# KiCad board cutiepie2040_ortho.kicad_pcb
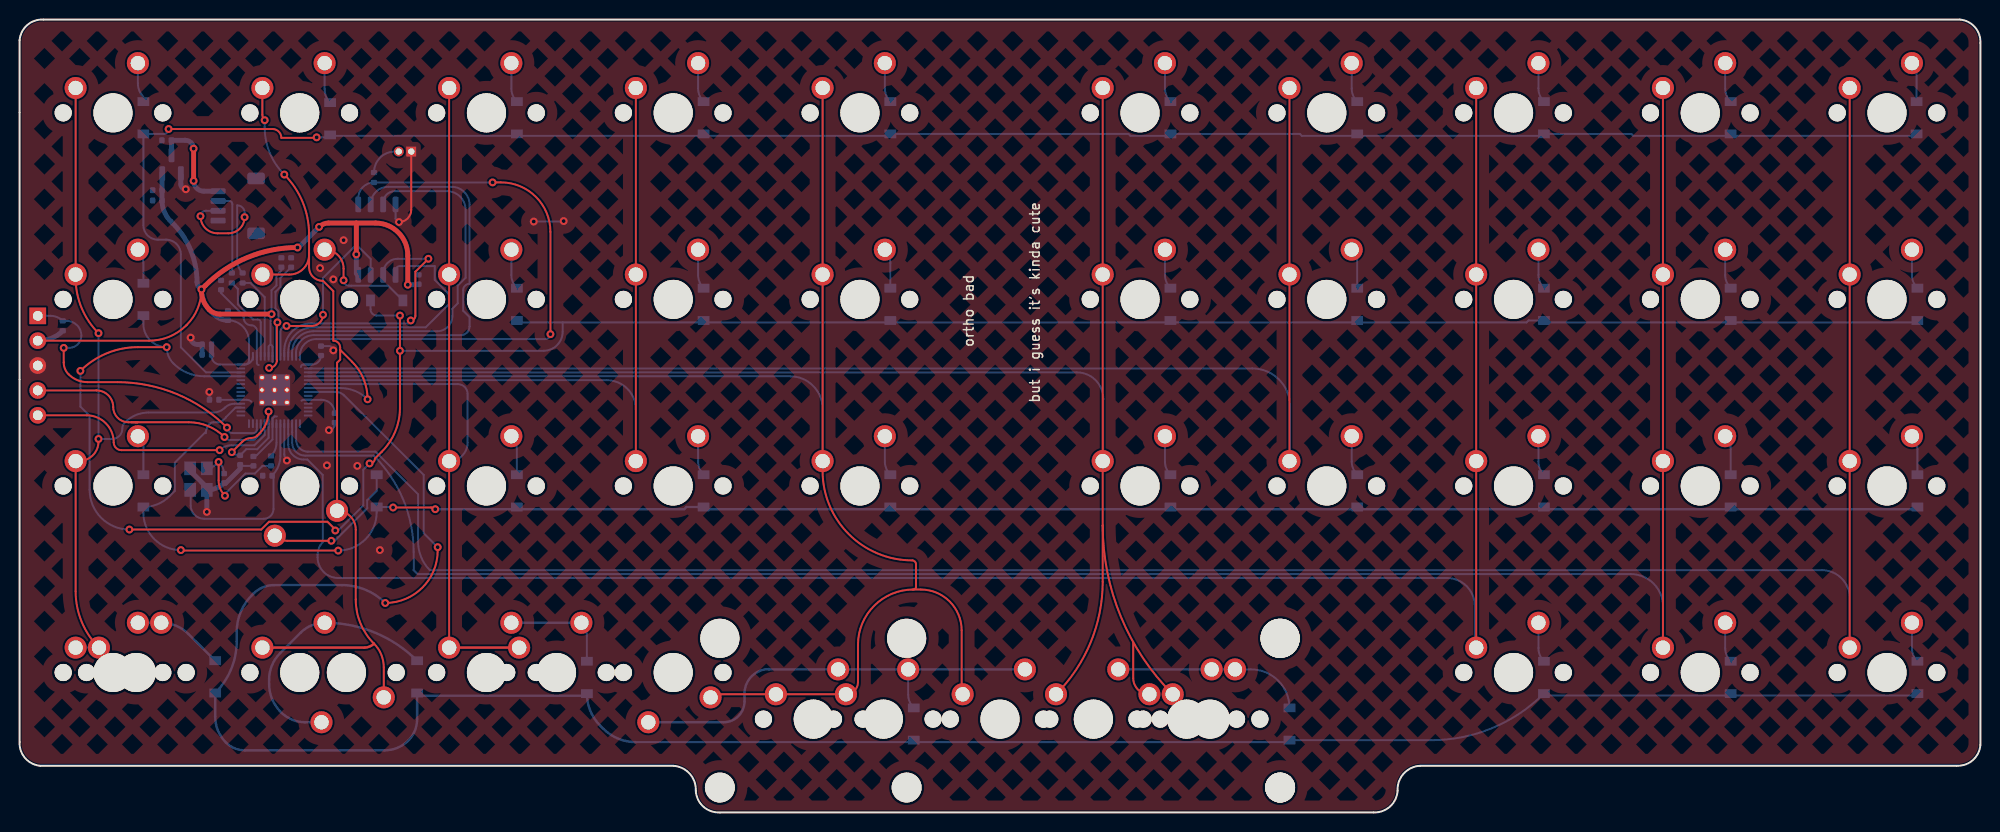
[diagram p0: board, top side]
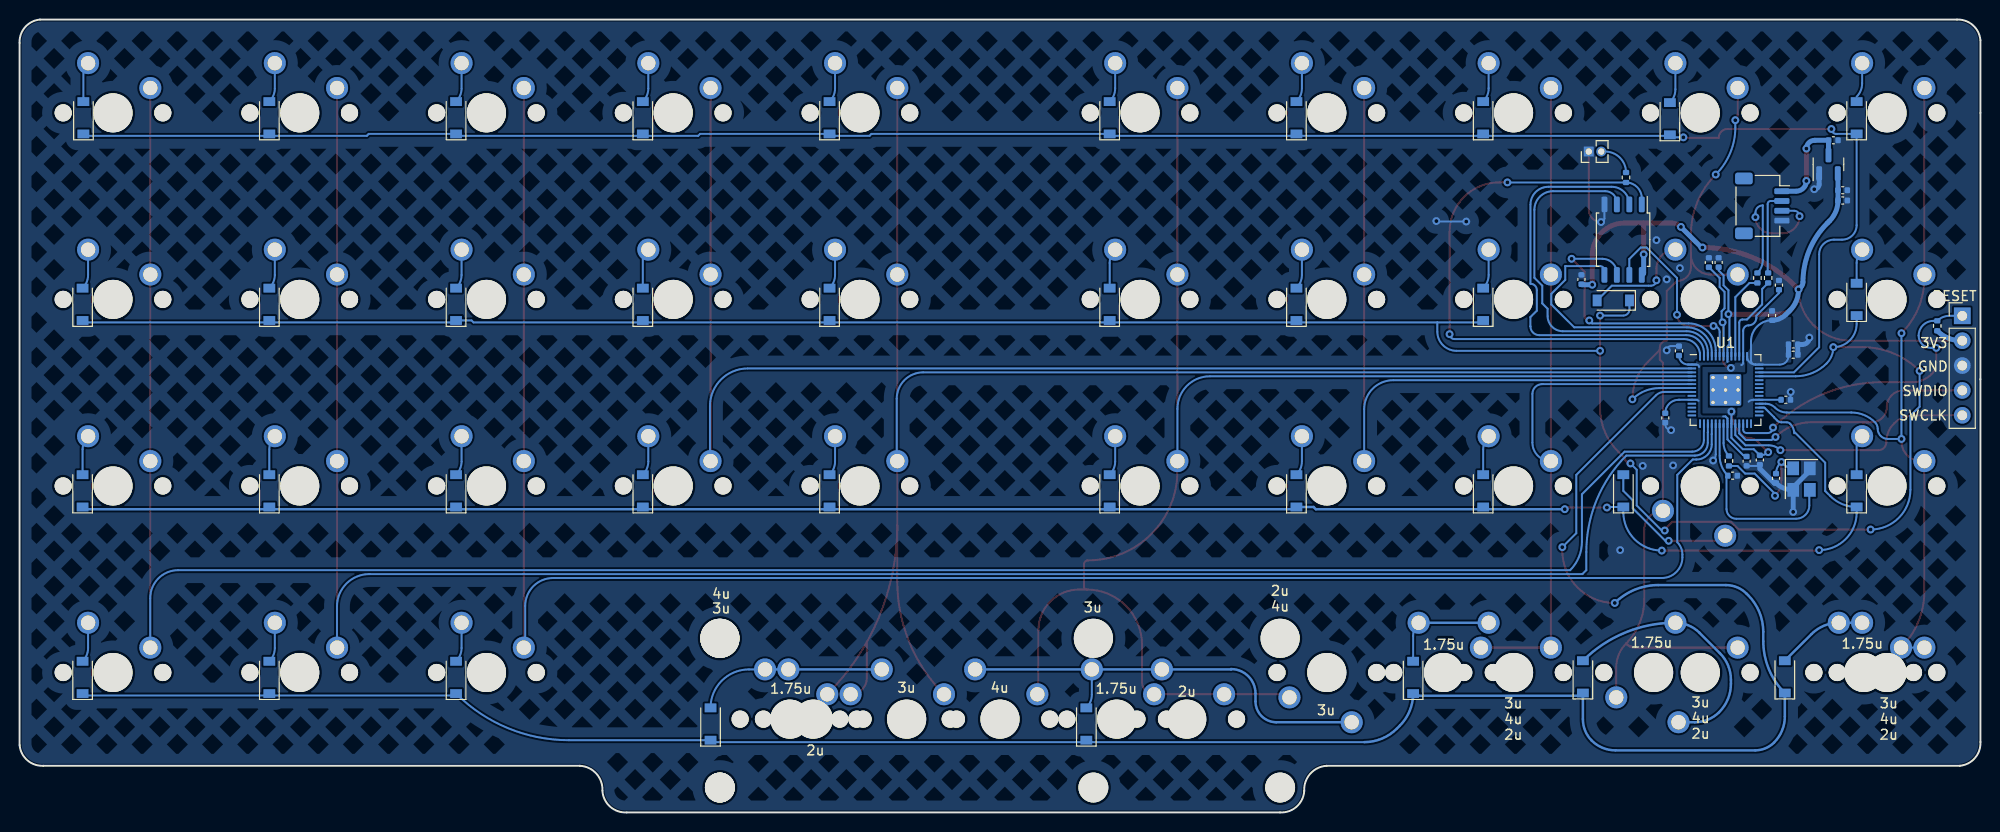
[diagram p1: board, bottom side, seen from below]

Outline 200.02 x 80.96 mm; copper layers: Top, Bottom. Coordinates in mm from the lower left corner of the outline.
Outline path: 0,78.86 arc(0.78,80.4) 2.4,80.96 197.95,80.96 arc(199.47,80.19) 200.02,78.58 200.02,6.88 arc(199.25,5.33) 197.61,4.76 142.88,4.76 arc(141.2,3.97) 140.57,2.22 arc(139.8,0.6) 138.1,0 71.45,0 arc(69.76,0.58) 68.98,2.19 arc(68.36,3.95) 66.67,4.76 2.1,4.76 arc(0.56,5.55) 0,7.19 0,78.86
Stack: Top 0.035mm / dielectric 1.51mm FR4 er 4.5 / Bottom 0.035mm

## Placement (name value [footprint] x y rotation side)
C_1V-Decoup1  1u  [C_0402_1005Metric]  20.55 53.85 90 bottom
C_1V-Decoup2  .1u  [C_0402_1005Metric]  27.7 56.16 90 bottom
C_1V-Decoup3  .1u  [C_0402_1005Metric]  22.5 35.99 270 bottom
C_3V-Decoup1  10u  [C_0402_1005Metric]  14.05 62.49 180 bottom
C_3V-Decoup2  1u  [C_0402_1005Metric]  21.25 50.74 90 bottom
C_3V-Decoup3  .1u  [C_0402_1005Metric]  26.7 56.16 90 bottom
C_3V-Decoup4  .1u  [C_0402_1005Metric]  19.85 42.14 180 bottom
C_3V-Decoup5  .1u  [C_0402_1005Metric]  19.1 46.74 180 bottom
C_3V-Decoup6  .1u  [C_0402_1005Metric]  32.15 40.29 270 bottom
C_3V-Decoup7  .1u  [C_0402_1005Metric]  19.1 47.79 180 bottom
C_3V-Decoup8  .1u  [C_0402_1005Metric]  23.85 35.87 270 bottom
C_3V-Decoup9  .1u  [C_0402_1005Metric]  30.75 47.14 90 bottom
C_Crystal1  22pF  [C_0402_1005Metric]  25.28 34.39 0 bottom
C_Crystal2  22pF  [C_0402_1005Metric]  20.85 34.12 90 bottom
C_Flash1  .1u  [C_0402_1005Metric]  40.7 54.42 90 bottom
C_LD1  1u  [C_0402_1005Metric]  15 68.64 180 bottom
C_LD2  1u  [C_0402_1005Metric]  14.05 63.54 180 bottom
D1  D_Small  [D_SOD-123]  12.62 70.94 90 bottom
D2  D_Small  [D_SOD-123]  12.62 52.39 90 bottom
D3  D_Small  [D_SOD-123]  12.62 32.84 90 bottom
D4  D_Small  [D_SOD-123]  19.95 13.84 90 bottom
D5  D_Small  [D_SOD-123]  31.67 70.84 90 bottom
D6  D_Small  [D_SOD-123]  37.45 52.29 0 bottom
D7  D_Small  [D_SOD-123]  36.42 32.84 90 bottom
D8  D_Small  [D_SOD-123]  40.55 13.84 90 bottom
D9  D_Small  [D_SOD-123]  50.72 70.94 90 bottom
D10  D_Small  [D_SOD-123]  50.72 51.89 90 bottom
D11  D_Small  [D_SOD-123]  50.72 32.84 90 bottom
D12  D_Small  [D_SOD-123]  57.87 13.79 90 bottom
D13  D_Small  [D_SOD-123]  69.77 70.94 90 bottom
D14  D_Small  [D_SOD-123]  69.77 51.89 90 bottom
D15  D_Small  [D_SOD-123]  69.77 32.84 90 bottom
D16  D_Small  [D_SOD-123]  88.83 70.94 90 bottom
D17  D_Small  [D_SOD-123]  88.83 51.89 90 bottom
D18  D_Small  [D_SOD-123]  88.83 32.84 90 bottom
D19  D_Small  [D_SOD-123]  91.21 9.02 90 bottom
D20  D_Small  [D_SOD-123]  117.4 70.94 90 bottom
D21  D_Small  [D_SOD-123]  117.4 51.89 90 bottom
D22  D_Small  [D_SOD-123]  117.4 32.84 90 bottom
D23  D_Small  [D_SOD-123]  129.54 9.02 90 bottom
D24  D_Small  [D_SOD-123]  136.45 70.94 90 bottom
D25  D_Small  [D_SOD-123]  136.45 51.89 90 bottom
D26  D_Small  [D_SOD-123]  136.45 32.84 90 bottom
D27  D_Small  [D_SOD-123]  155.5 70.94 90 bottom
D28  D_Small  [D_SOD-123]  155.5 51.89 90 bottom
D29  D_Small  [D_SOD-123]  155.5 32.84 90 bottom
D30  D_Small  [D_SOD-123]  155.5 13.79 90 bottom
D31  D_Small  [D_SOD-123]  174.55 70.94 90 bottom
D32  D_Small  [D_SOD-123]  174.55 51.89 90 bottom
D33  D_Small  [D_SOD-123]  174.55 32.84 90 bottom
D34  D_Small  [D_SOD-123]  174.55 13.79 90 bottom
D35  D_Small  [D_SOD-123]  193.52 70.94 90 bottom
D36  D_Small  [D_SOD-123]  193.6 51.89 90 bottom
D37  D_Small  [D_SOD-123]  193.6 32.84 90 bottom
D38  D_Small  [D_SOD-123]  193.6 13.79 90 bottom
J1  SM04B  [JST_SH_SM04B-SRSS-TB_1x04-1MP_P1.00mm_Horizontal]  22.25 61.94 270 bottom
J2  SWD  [PinHeader_1x05_P2.54mm_Vertical]  1.85 50.71 180 bottom
MX1  MX-NoLED  [MXOnly-1U-NoLED]  9.52 71.44 0 top
MX2  MX-NoLED  [MXOnly-1U-NoLED]  9.52 52.39 0 top
MX3  MX-NoLED  [MXOnly-1U-NoLED]  9.52 33.34 0 top
MX4  MX-NoLED  [MXOnly-1U-NoLED]  9.52 14.29 0 top
MX4#2  MX-NoLED  [MXOnly-1.25U-NoLED]  11.91 14.29 0 top
MX5  MX-NoLED  [MXOnly-1U-NoLED]  28.58 71.44 0 top
MX6  MX-NoLED  [MXOnly-1U-NoLED]  28.58 52.39 0 top
MX7  MX-NoLED  [MXOnly-1U-NoLED]  28.58 33.34 180 top
MX8  MX-NoLED  [MXOnly-1U-NoLED]  33.34 14.29 180 top
MX8#2  MX-NoLED  [MXOnly-1U-NoLED]  28.58 14.29 0 top
MX9  MX-NoLED  [MXOnly-1U-NoLED]  47.62 71.44 0 top
MX10  MX-NoLED  [MXOnly-1U-NoLED]  47.62 52.39 0 top
MX11  MX-NoLED  [MXOnly-1U-NoLED]  47.62 33.34 0 top
MX12  MX-NoLED  [MXOnly-1.25U-NoLED]  54.77 14.29 0 top
MX12#2  MX-NoLED  [MXOnly-1U-NoLED]  47.62 14.29 0 top
MX13  MX-NoLED  [MXOnly-1U-NoLED]  66.67 71.44 0 top
MX14  MX-NoLED  [MXOnly-1U-NoLED]  66.67 52.39 0 top
MX15  MX-NoLED  [MXOnly-1U-NoLED]  66.67 33.34 0 top
MX16  MX-NoLED  [MXOnly-1U-NoLED]  85.73 71.44 0 top
MX17  MX-NoLED  [MXOnly-1U-NoLED]  85.73 52.39 0 top
MX18  MX-NoLED  [MXOnly-1U-NoLED]  85.73 33.34 0 top
MX19  MX-NoLED  [MXOnly-1U-NoLED]  66.67 14.29 180 top
MX19#2  MX-NoLED  [MXOnly-4U-ReversedStabilizers-NoLED]  100.01 9.52 0 top
MX19#3  MX-NoLED  [MXOnly-1.75U-NoLED]  88.11 9.52 0 top
MX19#4  MX-NoLED  [MXOnly-2U-NoLED]  80.96 9.52 0 top
MX20  MX-NoLED  [MXOnly-1U-NoLED]  114.3 71.44 0 top
MX21  MX-NoLED  [MXOnly-1U-NoLED]  114.3 52.39 0 top
MX22  MX-NoLED  [MXOnly-1U-NoLED]  114.3 33.34 0 top
MX23  MX-NoLED  [MXOnly-3U-ReversedStabilizers-NoLED]  109.54 9.52 0 top
MX23#2  MX-NoLED  [MXOnly-2U-NoLED]  119.06 9.52 0 top
MX23#3  MX-NoLED  [MXOnly-1.75U-NoLED]  121.44 9.52 0 top
MX24  MX-NoLED  [MXOnly-1U-NoLED]  133.35 71.44 0 top
MX25  MX-NoLED  [MXOnly-1U-NoLED]  133.35 52.39 0 top
MX26  MX-NoLED  [MXOnly-1U-NoLED]  133.35 33.34 0 top
MX27  MX-NoLED  [MXOnly-1U-NoLED]  152.4 71.44 0 top
MX28  MX-NoLED  [MXOnly-1U-NoLED]  152.4 52.39 0 top
MX29  MX-NoLED  [MXOnly-1U-NoLED]  152.4 33.34 0 top
MX30  MX-NoLED  [MXOnly-1U-NoLED]  152.4 14.29 0 top
MX31  MX-NoLED  [MXOnly-1U-NoLED]  171.45 71.44 0 top
MX32  MX-NoLED  [MXOnly-1U-NoLED]  171.45 52.39 0 top
MX33  MX-NoLED  [MXOnly-1U-NoLED]  171.45 33.34 0 top
MX34  MX-NoLED  [MXOnly-1U-NoLED]  171.45 14.29 0 top
MX35  MX-NoLED  [MXOnly-1U-NoLED]  190.5 71.44 0 top
MX36  MX-NoLED  [MXOnly-1U-NoLED]  190.5 52.39 0 top
MX37  MX-NoLED  [MXOnly-1U-NoLED]  190.5 33.34 0 top
MX38  MX-NoLED  [MXOnly-1U-NoLED]  190.5 14.29 0 top
R_Crystal1  1k  [R_0402_1005Metric]  25.65 35.89 90 bottom
R_DATA1  27  [R_0402_1005Metric]  22.75 54.58 270 bottom
R_DATA2  27  [R_0402_1005Metric]  21.65 54.58 270 bottom
R_Flash1  1k  [R_0402_1005Metric]  36.15 64.84 270 bottom
R_RST1  1k  [R_0402_1005Metric]  4.4 49.69 90 bottom
SW1  Reset  [PinHeader_1x02_P1.27mm_Vertical]  39.95 67.49 90 bottom
U1  RP2040  [RP2040-QFN-56]  26 43.14 180 bottom
U2  W25Q128JVS  [SOIC-8_5.23x5.23mm_P1.27mm]  36.45 58.49 270 bottom
U3  XC6206PxxxMR  [SOT-23]  15.5 66.19 90 bottom
Y1  12MHz  [Crystal_SMD_3225-4Pin_3.2x2.5mm]  18.25 34.04 270 bottom

## Library data of the parts
C_1V-Decoup1-C_1V-Decoup3 C_3V-Decoup1-C_3V-Decoup9 C_Crystal1 C_Crystal2 C_Flash1 C_LD1 C_LD2 = -: Description: Unpolarized capacitor, small symbol
D1-D38 = -: Description: Diode, small symbol
J1 = -: Description: Generic connector, single row, 01x04, script generated (kicad-library-utils/schlib/autogen/connector/)
J2 = -: Description: Generic connector, single row, 01x05, script generated (kicad-library-utils/schlib/autogen/connector/)
R_Crystal1 R_DATA1 R_DATA2 R_Flash1 R_RST1 = -: Description: Resistor, small symbol
SW1 = -: Description: Push button switch, generic, two pins
U1 = -: Description: A microcontroller by Raspberry Pi
U2 = -: Description: 128Mb Serial Flash Memory, Standard/Dual/Quad SPI, SOIC-8
U3 = -: Description: Positive 60-250mA Low Dropout Regulator, Fixed Output, SOT-23
Y1 = -: Description: Four pin crystal, GND on pins 2 and 4, small symbol

## Footprints (pads in the part's own frame, mm; a bottom-side part is the same pattern mirrored in y, then rotated)
C_0402_1005Metric
  rrect 0.56x0.62 smd: 1(-0.48,0) 2(0.48,0)
Crystal_SMD_3225-4Pin_3.2x2.5mm
  rect 1.4x1.2 smd: 1(-1.1,-0.85) 2(1.1,-0.85) 3(1.1,0.85) 4(-1.1,0.85)
D_SOD-123
  rect 0.9x1.2 smd: 1(-1.65,0) 2(1.65,0)
JST_SH_SM04B-SRSS-TB_1x04-1MP_P1.00mm_Horizontal
  rrect 0.6x1.55 smd: 1(-1.5,2) 2(-0.5,2) 3(0.5,2) 4(1.5,2)
  rrect 1.2x1.8 smd: MP(-2.8,-1.875) MP(2.8,-1.875)
MXOnly-1.25U-NoLED
  round 1.75 hole 1.75 unplated: (-5.08,0) (5.08,0)
  round 3.988 hole 3.988 unplated: (0,0)
  round 2.25 hole 1.47: 1(-3.81,2.54) 2(2.54,5.08)
MXOnly-1.75U-NoLED
  round 1.75 hole 1.75 unplated: (-5.08,0) (5.08,0)
  round 3.988 hole 3.988 unplated: (0,0)
  round 2.25 hole 1.47: 1(-3.81,2.54) 2(2.54,5.08)
MXOnly-1U-NoLED
  round 1.75 hole 1.75 unplated: (-5.08,0) (5.08,0)
  round 3.988 hole 3.988 unplated: (0,0)
  round 2.25 hole 1.47: 1(-3.81,2.54) 2(2.54,5.08)
MXOnly-2U-NoLED
  round 1.75 hole 1.75 unplated: (-5.08,0) (5.08,0)
  round 3.988 hole 3.988 unplated: (0,0)
  round 2.25 hole 1.47: 1(-3.81,2.54) 2(2.54,5.08)
MXOnly-3U-ReversedStabilizers-NoLED
  round 3.988 hole 3.988 unplated: (-19.05,8.255) (0,0) (19.05,8.255)
  round 3.048 hole 3.048 unplated: (-19.05,-6.985) (19.05,-6.985)
  round 1.75 hole 1.75 unplated: (-5.08,0) (5.08,0)
  round 2.25 hole 1.47: 1(-3.81,2.54) 2(2.54,5.08)
MXOnly-4U-ReversedStabilizers-NoLED
  round 3.988 hole 3.988 unplated: (-28.575,8.255) (0,0) (28.575,8.255)
  round 3.048 hole 3.048 unplated: (-28.575,-6.985) (28.575,-6.985)
  round 1.75 hole 1.75 unplated: (-5.08,0) (5.08,0)
  round 2.25 hole 1.47: 1(-3.81,2.54) 2(2.54,5.08)
PinHeader_1x02_P1.27mm_Vertical
  rect 1x1 hole 0.65: 1(0,0)
  oval 1x1 hole 0.65: 2(0,-1.27)
PinHeader_1x05_P2.54mm_Vertical
  rect 1.7x1.7 hole 1: 1(0,0)
  oval 1.7x1.7 hole 1: 2(0,-2.54) 3(0,-5.08) 4(0,-7.62) 5(0,-10.16)
R_0402_1005Metric
  rrect 0.54x0.64 smd: 1(-0.51,0) 2(0.51,0)
RP2040-QFN-56
  rrect 1.084x1.084 smd: (-0.637,-0.637) (-0.637,0.637) (0.637,-0.637) (0.637,0.637)
  rrect 0.875x0.2 smd: 1(-3.438,2.6) 2(-3.438,2.2) 3(-3.438,1.8) 4(-3.438,1.4) 5(-3.438,1) 6(-3.438,0.6) 7(-3.438,0.2) 8(-3.438,-0.2) 9(-3.438,-0.6) 10(-3.438,-1) 11(-3.438,-1.4) 12(-3.438,-1.8) 13(-3.438,-2.2) 14(-3.438,-2.6) 29(3.438,-2.6) 30(3.438,-2.2) 31(3.438,-1.8) 32(3.438,-1.4) 33(3.438,-1) 34(3.438,-0.6) 35(3.438,-0.2) 36(3.438,0.2) 37(3.438,0.6) 38(3.438,1) 39(3.438,1.4) 40(3.438,1.8) 41(3.438,2.2) 42(3.438,2.6)
  rrect 0.2x0.875 smd: 15(-2.6,-3.438) 16(-2.2,-3.438) 17(-1.8,-3.438) 18(-1.4,-3.438) 19(-1,-3.438) 20(-0.6,-3.438) 21(-0.2,-3.438) 22(0.2,-3.438) 23(0.6,-3.438) 24(1,-3.438) 25(1.4,-3.438) 26(1.8,-3.438) 27(2.2,-3.438) 28(2.6,-3.438) 43(2.6,3.438) 44(2.2,3.438) 45(1.8,3.438) 46(1.4,3.438) 47(1,3.438) 48(0.6,3.438) 49(0.2,3.438) 50(-0.2,3.438) 51(-0.6,3.438) 52(-1,3.438) 53(-1.4,3.438) 54(-1.8,3.438) 55(-2.2,3.438) 56(-2.6,3.438)
  round 0.6 hole 0.35: 57(-1.275,-1.275) 57(-1.275,0) 57(-1.275,1.275) 57(0,-1.275) 57(0,0) 57(0,1.275) 57(1.275,-1.275) 57(1.275,0) 57(1.275,1.275)
  rrect 3.2x3.2 smd: 57(0,0)
SOIC-8_5.23x5.23mm_P1.27mm
  rrect 1.6x0.6 smd: 1(-3.6,1.905) 2(-3.6,0.635) 3(-3.6,-0.635) 4(-3.6,-1.905) 5(3.6,-1.905) 6(3.6,-0.635) 7(3.6,0.635) 8(3.6,1.905)
SOT-23
  rrect 1.475x0.6 smd: 1(-0.938,0.95) 2(-0.938,-0.95) 3(0.938,0)

## Nets
+1V1: C_1V-Decoup1.1 C_1V-Decoup2.1 C_1V-Decoup3.1 U1.23 U1.45 U1.50
+3V3: C_3V-Decoup1.1 C_3V-Decoup2.1 C_3V-Decoup3.1 C_3V-Decoup4.1 C_3V-Decoup5.1 C_3V-Decoup6.1 C_3V-Decoup7.1 C_3V-Decoup8.1 C_3V-Decoup9.1 C_Flash1.1 C_LD2.1 J2.2 R_RST1.1 U1.1 U1.10 U1.22 U1.33 U1.42 U1.43 U1.44 U1.48 U1.49 U2.8 U3.2
+5V: C_LD1.1 J1.1 U3.3
GND: C_1V-Decoup1.2 C_1V-Decoup2.2 C_1V-Decoup3.2 C_3V-Decoup1.2 C_3V-Decoup2.2 C_3V-Decoup3.2 C_3V-Decoup4.2 C_3V-Decoup5.2 C_3V-Decoup6.2 C_3V-Decoup7.2 C_3V-Decoup8.2 C_3V-Decoup9.2 C_Crystal1.1 C_Crystal2.1 C_Flash1.2 C_LD1.2 C_LD2.2 J1.4 J2.3 SW1.1 U1.19 U1.57 U2.4 U3.1 Y1.2 Y1.4
col0: MX1.1 MX2.1 MX3.1 MX4.1 MX4#2.1 U1.32
col1: MX5.1 MX6.1 MX7.1 MX8.1 MX8#2.1 U1.7
col2: MX9.1 MX10.1 MX11.1 MX12.1 MX12#2.1 U1.6
col3: MX13.1 MX14.1 MX15.1 U1.5
col4: MX16.1 MX17.1 MX18.1 MX19.1 MX19#2.1 MX19#3.1 MX19#4.1 U1.4
col5: MX20.1 MX21.1 MX22.1 MX23.1 MX23#2.1 MX23#3.1 U1.3
col6: MX24.1 MX25.1 MX26.1 U1.2
col7: MX27.1 MX28.1 MX29.1 MX30.1 U1.18
col8: MX31.1 MX32.1 MX33.1 MX34.1 U1.17
col9: MX35.1 MX36.1 MX37.1 MX38.1 U1.16
CS: R_Flash1.2 U1.56 U2.1
D+: J1.3 R_DATA1.1
D-: J1.2 R_DATA2.1
QSPI_CLK: U1.52 U2.6
RESET: J2.1 R_RST1.2 U1.26
row0: D1.1 D5.1 D9.1 D13.1 D16.1 D20.1 D24.1 D27.1 D31.1 D35.1 U1.40
row1: D2.1 D6.1 D10.1 D14.1 D17.1 D21.1 D25.1 D28.1 D32.1 D36.1 U1.39
row2: D3.1 D7.1 D11.1 D15.1 D18.1 D22.1 D26.1 D29.1 D33.1 D37.1 U1.31
row3: D4.1 D8.1 D12.1 D19.1 D23.1 D30.1 D34.1 D38.1 U1.8
SD0: U1.53 U2.5
SD1: U1.55 U2.2
SD2: U1.54 U2.3
SD3: U1.51 U2.7
SWCLK: J2.5 U1.24
SWDIO: J2.4 U1.25
XTAL_IN: C_Crystal1.2 U1.20 Y1.3
XTAL_OUT: R_Crystal1.2 U1.21
Net-(C_Crystal2-Pad2): C_Crystal2.2 R_Crystal1.1 Y1.1
Net-(D1-A): D1.2 MX1.2
Net-(D2-A): D2.2 MX2.2
Net-(D3-A): D3.2 MX3.2
Net-(D4-A): D4.2 MX4.2 MX4#2.2
Net-(D5-A): D5.2 MX5.2
Net-(D6-A): D6.2 MX6.2
Net-(D7-A): D7.2 MX7.2
Net-(D8-A): D8.2 MX8.2 MX8#2.2
Net-(D9-A): D9.2 MX9.2
Net-(D10-A): D10.2 MX10.2
Net-(D11-A): D11.2 MX11.2
Net-(D12-A): D12.2 MX12.2 MX12#2.2
Net-(D13-A): D13.2 MX13.2
Net-(D14-A): D14.2 MX14.2
Net-(D15-A): D15.2 MX15.2
Net-(D16-A): D16.2 MX16.2
Net-(D17-A): D17.2 MX17.2
Net-(D18-A): D18.2 MX18.2
Net-(D19-A): D19.2 MX19.2 MX19#2.2 MX19#3.2 MX19#4.2
Net-(D20-A): D20.2 MX20.2
Net-(D21-A): D21.2 MX21.2
Net-(D22-A): D22.2 MX22.2
Net-(D23-A): D23.2 MX23.2 MX23#2.2 MX23#3.2
Net-(D24-A): D24.2 MX24.2
Net-(D25-A): D25.2 MX25.2
Net-(D26-A): D26.2 MX26.2
Net-(D27-A): D27.2 MX27.2
Net-(D28-A): D28.2 MX28.2
Net-(D29-A): D29.2 MX29.2
Net-(D30-A): D30.2 MX30.2
Net-(D31-A): D31.2 MX31.2
Net-(D32-A): D32.2 MX32.2
Net-(D33-A): D33.2 MX33.2
Net-(D34-A): D34.2 MX34.2
Net-(D35-A): D35.2 MX35.2
Net-(D36-A): D36.2 MX36.2
Net-(D37-A): D37.2 MX37.2
Net-(D38-A): D38.2 MX38.2
Net-(R_Flash1-Pad1): R_Flash1.1 SW1.2
Net-(U1-USB_DM): R_DATA2.2 U1.46
Net-(U1-USB_DP): R_DATA1.2 U1.47

Pads without a net: J1 MP; U1 9 11 12 13 14 15 27 28 29 30 34 35 36 37 38 41

## Via types
v1: diameter 0.8, hole 0.4, Top to Bottom, 64 vias

## Routing (per net, layer and track width the routed paths; a pad name or vN(x,y) marks a point on that pad's centre or on a via; arc(x,y) is an arc through that point)
+1V1: length 38.1
  Top w0.2: 26.24,46.09 26.24,49.99 arc(26.26,50.03) v1(26.3,50.04) ; v1(21.65,36.79) 22.71,37.85 arc(23.14,38.14) 23.65,38.24 arc(23.97,38.3) 24.25,38.48 24.48,38.72 arc(25.16,39.74) v1(25.4,40.94) ; v1(25.45,45.39) arc(26.02,45.62) 26.25,46.19
  Bottom w0.2: C_1V-Decoup1.1 20.55,53.03 22.86,50.72 22.86,50.44 ; v1(25.4,40.94) U1.23 25.4,38.25 24.23,37.09 23.12,37.09 C_1V-Decoup3.1 ; C_1V-Decoup2.1 26.6,54.58 26.6,53.66 26.1,53.16 26.1,51.48 26.4,51.18 26.4,50.14 arc(26.37,50.07) v1(26.3,50.04) arc(26.23,50.02) 26.2,49.95 U1.50 ; 22.42,36.47 arc(22,36.55) v1(21.65,36.79) ; 24.4,45.69 arc(24.26,45.75) 24.2,45.89 U1.45 24.2,49.19 arc(24.04,49.58) 23.65,49.74 arc(23.08,49.97) 22.85,50.54
+3V3: length 122.6
  Top w0.2: 1.85,48.17 13.22,48.17 arc(15.27,48.58) 17,49.74 17.05,49.79 arc(18.16,51.45) v1(18.55,53.41)
  Top w0.5: 34.35,60.19 36.3,60.19 arc(38.63,59.22) 39.6,56.89 v1(39.6,53.89) ; 34.35,60.19 31.52,60.19 arc(30.99,60.08) v1(30.55,59.79) ; 34.35,60.19 v1(34.35,56.99) ; v1(25.7,50.89) 20.44,50.89 arc(19.85,51) 19.35,51.34 arc(18.76,52.22) 18.55,53.27 v1(18.55,53.41) 18.93,53.78 arc(23.25,56.67) v1(28.35,57.69)
  Bottom w0.2: 25.6,47.74 25.6,50.79 arc(25.63,50.86) v1(25.7,50.89) 25.7,53.32 26.2,53.82 26.2,54.84 26.7,55.34 C_3V-Decoup3.1 ; 25.6,47.74 arc(25.46,47.68) 25.4,47.54 U1.48 ; 25.6,47.74 arc(25.74,47.68) 25.8,47.54 U1.49 25.8,46.03 25.8,46.04 ; 26.25,40.44 26.01,40.44 25.8,40.23 U1.22 25.8,38.09 24.21,36.5 arc(24.04,36.39) C_3V-Decoup8.1 ; 22.96,45.74 U1.42 20.45,45.74 arc(19.83,45.99) 19.58,46.61 ; 22.96,45.74 arc(23.27,45.87) 23.4,46.17 U1.43 23.4,48.11 arc(22.77,49.63) C_3V-Decoup2.1 ; 22.96,45.74 arc(23.55,45.98) U1.44 ; C_3V-Decoup4.1 U1.33 23.17,42.14 arc(23.43,42.09) 23.65,41.94 ; C_3V-Decoup6.1 arc(31.75,41.74) 30.78,42.14 U1.10 28.99,42.14 arc(28.86,42.11) 28.75,42.04 ; C_3V-Decoup9.1 arc(30.48,46.01) 29.83,45.74 U1.1 28.95,45.74 arc(28.77,45.66) 28.7,45.49
  Bottom w0.5: v1(34.35,56.99) 34.35,55.08 arc(34.41,54.94) U2.8 ; v1(30.55,59.79) 28.52,57.76 arc(28.44,57.71) v1(28.35,57.69) ; 14.53,65.23 C_LD2.1 C_3V-Decoup1.1 arc(14.76,61.35) 15.4,60.39 15.6,60.19 arc(17.45,57.42) 18.1,54.15 arc(18.15,53.88) 18.31,53.65 v1(18.55,53.41) arc(18.78,52.23) 19.45,51.24 19.85,50.84 arc(20.49,50.41) C_3V-Decoup2.1 ; v1(39.6,53.89) 40.65,53.89 arc(40.69,53.9) C_Flash1.1 ; C_3V-Decoup7.1 C_3V-Decoup5.1 ; R_RST1.1 arc(3.29,48.43) 1.97,48.17
+5V: length 10.6
  Top w0.5: v1(17.75,67.79) v1(17.75,64.49)
  Bottom w0.5: U3.3 15.5,68.62 ; C_LD1.1 16.9,68.64 arc(17.5,68.39) v1(17.75,67.79) ; J1.1 18.8,63.44 arc(18.06,63.75) v1(17.75,64.49)
GND: length 35
  Top w0.2: SW1.1 39.95,61.54 arc(39.58,60.65) v1(38.7,60.29)
  Bottom w0.2: C_3V-Decoup9.2 31.57,47.62 arc(31.87,47.49) v1(32,47.19) ; U1.19 27,36.58 arc(27.07,36.23) v1(27.27,35.94) 27.27,36.06 ; C_3V-Decoup4.2 19.37,42.89 arc(19.36,42.92) v1(19.35,42.94) ; U2.4 38.36,60.63 arc(38.46,60.39) v1(38.7,60.29) ; v1(52.45,60.34) 55.45,60.34 arc(55.49,60.35) v1(55.5,60.39) ; C_3V-Decoup8.2 22.79,35.39 arc(22.63,35.42) C_1V-Decoup3.2 ; 32.15,39.64 arc(31.97,39.21) v1(31.55,39.04)
  Bottom w0.5: C_1V-Decoup3.2 22.5,35.1 21.03,33.64 C_Crystal2.1 arc(20.07,33.12) 19.16,32.94 ; C_3V-Decoup5.2 C_3V-Decoup7.2 18.15,47.79 arc(17.66,47.99) v1(17.45,48.49) ; 17.4,34.89 18.92,33.36 ; v1(19.1,30.69) Y1.2 ; U3.1 16.45,64.14 arc(16.6,63.78) v1(16.95,63.64)
  vias: v1(30.65,55.59) v1(31.35,35.44) v1(32,54.44) v1(33.05,58.44) v1(34.45,35.39) v1(36.75,26.79)
col0: length 77.7
  Top w0.2: v1(8.05,38.14) 8.05,37.88 arc(7.46,36.46) 6.05,35.88 ; MX3.1 5.71,22.58 arc(6.33,19.47) MX4#2.1 ; MX1.1 MX2.1 ; 5.71,54.57 arc(6.32,51.52) v1(8.05,48.94)
  Bottom w0.2: v1(8.05,48.94) v1(8.05,38.14) 9.44,38.14 arc(10.17,38.44) 10.48,39.18 arc(10.55,39.54) 10.75,39.84 arc(11.86,40.58) 13.16,40.84 19.74,40.84 arc(20.4,40.97) 20.95,41.34 arc(21.39,41.63) 21.92,41.74 U1.32 ; MX4#2.1 MX4.1
col1: length 97
  Top w0.2: 32.7,47.24 33.91,46.03 arc(35.09,44.27) v1(35.5,42.19) ; 32.7,47.24 32.7,47.48 arc(32.49,47.97) 32,48.18 32,53.24 30.95,54.29 30.9,54.29 arc(29.93,54.69) 29.53,55.66 29.53,57.14 ; 32.7,47.24 32.7,46.24 32.38,45.92 MX7.1 arc(33.73,30.24) 34.29,28.89 34.29,21.73 arc(34.77,19.3) 36.15,17.24 arc(36.89,16.13) 37.15,14.83 MX8.1 ; 29.53,57.14 29.53,56.93 arc(28.94,55.51) 27.53,54.93 MX6.1 ; 29.53,57.14 29.53,59.04 arc(28.87,62.34) v1(27,65.14) ; MX5.1 24.77,71.25 arc(24.83,70.95) v1(25,70.69)
  Top w0.25: MX8#2.1 35.16,16.83 arc(35.7,16.93) 36.15,17.24
  Bottom w0.2: U1.7 32.54,43.34 ; 32.65,43.33 32.73,43.33 arc(34.23,43.04) v1(35.5,42.19) ; v1(25,70.69) 25,69.97 arc(25.52,67.35) v1(27,65.14)
col2: length 89.1
  Top w0.2: MX12#2.1 MX11.1 MX10.1 MX9.1
  Top w0.25: MX12#2.1 MX12.1
  Bottom w0.2: U1.6 44.7,43.74 arc(45.41,43.44) 45.7,42.74 45.7,37.76 arc(45.15,36.43) MX11.1
col3: length 78.5
  Top w0.2: MX13.1 MX14.1 MX15.1
  Bottom w0.2: MX15.1 62.86,41.17 arc(62,43.27) 59.9,44.14 U1.5
col4: length 157
  Top w0.2: 81.91,35.88 81.91,73.98 ; 96.1,12.17 96.1,18.59 arc(94.88,21.54) 91.92,22.76 91.1,22.76 ; 71.25,12.06 MX19#4.1 MX19#3.1 arc(85.16,12.42) 85.52,13.29 85.52,17.11 arc(87.18,21.11) 91.18,22.76 arc(91.37,22.84) 91.44,23.03 91.44,25.34 arc(91.33,25.62) 91.05,25.74 arc(84.59,28.41) 81.91,34.87
  Bottom w0.2: 81.91,35.88 81.91,41.22 arc(80.94,43.57) 78.6,44.54 U1.4
col5: length 177.6
  Top w0.2: 110.49,29.31 110.49,23.56 arc(109.25,17.34) MX23.1 ; 110.49,29.31 MX22.1 MX21.1 MX20.1 ; 110.49,29.31 arc(112.35,19.98) MX23#3.1 ; 113.6,17.39 113.6,13.72 arc(114.09,12.55) MX23#2.1
  Bottom w0.2: U1.3 107.85,44.94 arc(109.76,44.15) 110.55,42.24 110.55,35.94
col6: length 146
  Top w0.2: MX24.1 MX26.1
  Bottom w0.2: 129.6,35.94 129.6,41.49 arc(128.47,44.21) 125.75,45.34 U1.2
col7: length 197.9
  Top w0.2: MX30.1 MX29.1 MX27.1
  Bottom w0.2: U1.18 27.4,38.64 27.41,38.63 27.41,37.59 arc(27.86,36.49) 28.96,36.04 29.35,36.04 30.92,34.46 30.92,27.59 arc(30.54,27.01) 30.4,26.33 30.4,26.04 arc(31.02,24.55) 32.5,23.94 145.6,23.94 arc(147.62,23.1) 148.45,21.09 148.45,16.97
col8: length 214.7
  Top w0.2: MX31.1 MX33.1 MX34.1
  Bottom w0.2: 167.65,16.84 167.65,21.04 arc(166.68,23.37) 164.35,24.34 40.6,24.34 40.2,24.74 40.2,26.6 arc(39.14,31.92) 36.12,36.44 29.12,36.44 arc(28.19,36.82) 27.81,37.75 27.81,38.8 27.8,38.81 U1.17
col9: length 233.4
  Top w0.2: MX35.1 MX37.1 MX38.1
  Bottom w0.2: 29.35,36.84 36.3,36.84 40.65,32.49 40.65,27.63 arc(40.96,26.07) 41.85,24.74 183.85,24.74 arc(185.87,23.9) 186.7,21.89 186.7,16.84 ; U1.16 28.2,38.97 28.21,38.96 28.21,38.03 arc(28.56,37.19) 29.4,36.84
CS: length 60.6
  Top w0.2: v1(54.15,48.84) 54.15,59.29 arc(52.67,62.86) 49.1,64.34 v1(48.25,64.34)
  Bottom w0.2: 28.6,46.68 arc(29.09,47.85) 30.26,48.34 53.65,48.34 arc(54,48.48) v1(54.15,48.84) ; 34.55,62.72 arc(35.02,63.86) R_Flash1.2 48.24,64.33 arc(48.25,64.33) v1(48.25,64.34)
D+: length 17.2
  Top w0.2: v1(22.95,60.79) arc(22.47,59.62) 21.3,59.14 20.2,59.14 arc(18.96,59.65) v1(18.45,60.89)
  Bottom w0.2: J1.3 19,61.44 arc(18.61,61.28) v1(18.45,60.89) ; v1(22.95,60.79) 22.95,61.24 arc(22.73,61.77) 22.2,61.99 22.2,56.42 arc(22.34,55.7) R_DATA1.1
D-: length 8.6
  Bottom w0.2: 21.7,55.21 21.7,62.14 arc(21.61,62.35) 21.4,62.44 J1.2
QSPI_CLK: length 27.8
  Top w0.2: v1(41.7,56.54) 40.38,55.21 40.38,50.71 arc(40.24,50.38) v1(39.9,50.24)
  Bottom w0.2: U1.52 27,47.17 arc(27.81,49.13) 29.77,49.94 39.6,49.94 arc(39.81,50.03) v1(39.9,50.24) ; v1(41.7,56.54) 38.57,56.54 arc(37.52,56.1) 37.08,55.05
RESET: length 32.6
  Top w0.2: v1(4.5,47.44) 4.5,45.94 arc(4.63,45.29) 5,44.74 arc(5.89,44.15) 6.93,43.94 9.96,43.94 arc(16.02,42.73) v1(21.15,39.3)
  Bottom w0.2: v1(4.5,47.44) 5.05,47.44 arc(5.93,47.8) 6.3,48.69 arc(5.86,49.76) 4.79,50.2 R_RST1.2 arc(3.83,50.58) 3.16,50.71 J2.1 ; U1.26 24.2,39.09 arc(24.1,38.84) 23.85,38.74 21.72,38.74 arc(21.32,38.9) v1(21.15,39.3)
row0: length 210.8
  Top w0.2: v1(15.2,69.79) 25.8,69.79 arc(26.44,69.52) 26.7,68.89 30.25,68.89 arc(30.29,68.9) v1(30.3,68.94)
  Bottom w0.2: D16.1 113.13,69.29 113.33,69.09 117.2,69.09 ; 174.35,69.09 164.61,69.09 164.41,69.29 D27.1 ; 136.25,69.09 130.81,69.09 130.61,69.29 D20.1 ; 50.92,69.09 69.58,69.09 ; 136.65,69.09 155.3,69.09 ; 31.77,69.09 50.53,69.09 ; 174.75,69.09 193.32,69.09 ; U1.40 19.01,44.94 16.45,47.5 16.45,56.99 arc(16.01,58.05) 14.95,58.49 14.1,58.49 arc(13.06,58.92) 12.62,59.96 D1.1 14.7,69.29 arc(15.05,69.43) v1(15.2,69.79) ; 69.97,69.09 88.63,69.09 ; v1(30.3,68.94) 31.42,68.94
row1: length 251.8
  Top w0.2: v1(35.7,35.64) 35.75,35.64 arc(36.1,35.78) 36.25,36.13 36.95,36.84 arc(38.32,38.89) 38.8,41.3 v1(38.8,47.14) v1(38.8,50.74) ; v1(11.2,28.89) 24.65,28.89 25.44,29.68 31.4,29.68 32.2,28.89 v1(32.2,28.79) ; v1(15.01,47.51) 12.05,47.51 arc(8.89,46.88) v1(6.2,45.09)
  Bottom w0.2: 88.63,50.04 69.97,50.04 ; 193.4,50.04 174.75,50.04 ; 69.58,50.04 55.4,50.04 ; 55.4,50.04 50.92,50.04 ; 55.4,50.04 55.4,49.1 arc(54.83,47.71) 53.44,47.14 v1(38.8,47.14) ; v1(35.7,35.64) 35.06,35 35.06,31.35 32.5,28.79 v1(32.2,28.79) ; v1(38.8,50.74) 36.44,50.74 arc(35.99,50.92) 35.8,51.38 D6.1 ; 117.2,50.04 89.02,50.04 ; 136.25,50.04 117.6,50.04 ; D2.1 12.62,49.89 arc(13.32,48.21) v1(15.01,47.51) arc(15.19,46.61) 15.7,45.84 arc(17.14,44.88) 18.84,44.54 U1.39 ; 174.35,50.04 155.7,50.04 ; v1(6.2,45.09) 6.2,41.44 7.14,40.5 7.14,32.95 arc(8.33,30.08) v1(11.2,28.89) ; D28.1 153.92,50.24 153.72,50.04 136.65,50.04
row2: length 200.7
  Top w0.2: v1(32.5,26.74) 16.5,26.74 arc(16.46,26.75) v1(16.45,26.79) ; v1(38.1,31.14) 41.98,31.14 arc(42.21,31.09) v1(42.4,30.96)
  Bottom w0.2: U1.31 22.07,41.34 arc(22.03,41.33) 22,41.31 21.05,40.36 21.05,40.34 20.73,40.01 arc(20.53,39.88) 20.3,39.84 19.76,39.84 arc(19.57,39.8) 19.4,39.69 arc(19.1,39.24) 19,38.72 ; 19.01,38.89 15.83,35.71 15.83,32.83 15.3,32.3 arc(14.07,31.48) D3.1 12.62,30.61 arc(13.75,27.91) v1(16.45,26.79) ; v1(38.1,31.14) arc(38.04,31.17) 37.98,31.19 D7.1 36.42,30.66 arc(35.28,27.89) v1(32.5,26.74)
  Bottom w0.25: D15.1 68.02,31.19 67.8,30.96 50.95,30.96 ; 155.28,30.96 136.99,30.96 arc(136.7,31.02) D26.1 ; 50.5,30.96 v1(42.4,30.96) ; 136.23,30.96 117.94,30.96 arc(117.65,31.02) D22.1 ; 193.38,30.96 175.09,30.96 arc(174.8,31.02) D33.1 ; 88.6,30.96 70,30.96 ; 117.18,30.96 89.05,30.96 ; 174.33,30.96 156.04,30.96 arc(155.75,31.02) D29.1
row3: length 241.8
  Top w0.2: v1(42.65,27.09) 42.65,26.74 arc(41.08,22.95) v1(37.3,21.39)
  Bottom w0.2: 62.85,7.18 90.73,7.18 ; 91.4,7.18 129.35,7.18 ; 155.7,11.94 174.35,11.94 ; v1(42.65,27.09) 41.22,28.51 41.22,34.46 33.1,42.59 arc(32.71,42.85) 32.26,42.94 U1.8 ; D23.1 144,7.38 arc(150.22,8.61) D30.1 ; 174.75,11.94 193.12,11.94
  Bottom w0.25: 40.82,11.91 57.33,11.91 arc(57.62,11.97) D12.1 arc(58.22,10.36) 59.23,8.86 59.54,8.55 arc(61.06,7.53) 62.85,7.18 ; D8.1 40.55,9.51 arc(40.32,8.33) 39.65,7.34 arc(38.54,6.6) 37.24,6.34 22.98,6.34 arc(21.94,6.55) 21.05,7.14 arc(20.24,8.36) 19.95,9.79 D4.1 arc(21.58,14.62) 22.15,17.5 22.15,18.44 arc(22.55,20.47) 23.71,22.19 23.85,22.34 arc(24.82,22.99) 25.97,23.22 32.88,23.22 arc(35.27,22.74) v1(37.3,21.39)
SD0: length 28
  Bottom w0.2: U1.53 27.4,47 arc(28.14,48.79) 29.94,49.54 41.43,49.54 43.77,51.88 43.77,52.95 42.35,54.38 42.35,55.79 38.8,55.79 arc(38.49,55.66) 38.36,55.34
SD1: length 44.8
  Bottom w0.2: U1.55 28.2,46.93 arc(28.73,48.21) 30.01,48.74 45.01,48.74 arc(45.64,49) 45.9,49.63 arc(45.91,49.63) 45.91,49.64 45.91,50.58 45.25,51.24 45.25,53.33 arc(45.44,53.79) 45.9,53.98 45.9,62.06 arc(45.36,63.35) 44.07,63.89 37.61,63.89 arc(36.34,63.36) U2.2
SD2: length 40.5
  Bottom w0.2: U1.54 27.8,46.97 arc(28.44,48.5) 29.97,49.14 42.6,49.14 arc(43.7,49.59) 44.15,50.69 44.15,51.44 44.7,51.98 44.7,53.79 45.5,54.6 45.5,61.54 arc(44.94,62.88) 43.6,63.44 38.27,63.44 arc(37.43,63.09) 37.08,62.25
SD3: length 19.9
  Top w0.2: v1(27.23,49.68) 29.81,49.68 arc(30.61,50.01) v1(30.95,50.82)
  Bottom w0.2: U1.51 26.6,49.05 arc(26.78,49.49) v1(27.23,49.68) ; U2.7 35.81,56.51 34.64,57.69 34.06,57.69 30.95,54.58 v1(30.95,50.82)
SWCLK: length 26.9
  Top w0.2: J2.5 6.83,40.55 arc(8.79,39.74) 9.6,37.79 arc(9.83,37.23) 10.39,36.99 v1(20.41,36.99)
  Bottom w0.2: U1.24 25,38.54 23.95,37.49 21.6,37.49 arc(20.95,37.36) v1(20.41,36.99)
SWDIO: length 27.3
  Top w0.2: 11.84,39.84 12.05,39.84 11.09,39.84 arc(10,40.3) 9.55,41.39 arc(9.05,42.59) 7.84,43.09 1.85,43.09 ; 11.84,39.84 11.4,39.84 arc(11.4,39.84) 11.4,39.84 ; 11.84,39.84 17.26,39.84 arc(19.23,39.45) v1(20.9,38.34)
  Bottom w0.2: U1.25 24.6,38.7 23.93,38.04 21.3,38.04 21.07,38.26 arc(20.99,38.32) v1(20.9,38.34)
XTAL_IN: length 20.1
  Bottom w0.2: 25.9,34.25 25.9,30.99 arc(25.61,30.28) 24.9,29.99 18.81,29.99 arc(17.85,30.39) 17.45,31.35 17.45,32.89 ; U1.20 26.6,36.42 arc(26.38,35.32) C_Crystal1.2
XTAL_OUT: length 3.4
  Bottom w0.2: U1.21 26.2,37.73 arc(26.06,37.01) R_Crystal1.2
Net-(C_Crystal2-Pad2): length 12.5
  Top w0.2: v1(20.3,35.79) 20.3,33.91 arc(20.47,33.06) v1(20.95,32.34)
  Bottom w0.2: R_Crystal1.1 24.77,35.38 24,34.6 23.02,34.6 20.95,32.53 v1(20.95,32.34) ; C_Crystal2.2 arc(20.73,35.19) 20.4,35.69 v1(20.3,35.79) 20.04,35.53 arc(19.61,35.24) Y1.1
Net-(D1-A): length 3.6
  Bottom w0.2: MX1.2 12.06,74.44 arc(12.21,73.71) 12.62,73.09
Net-(D2-A): length 3.6
  Bottom w0.2: D2.2 12.62,56.12 arc(12.48,56.85) MX2.2
Net-(D3-A): length 3.4
  Bottom w0.2: D3.2 12.62,37.86
Net-(D4-A): length 9.3
  Bottom w0.25: D4.2 17.22,18.22 arc(15.95,19.07) MX4#2.2 MX4.2
Net-(D5-A): length 4.2
  Bottom w0.2: 31.11,76.52 31.11,73.84 arc(31.26,73.11) D5.2
Net-(D6-A): length 11.2
  Top w0.2: v1(33.05,54.34) 33.05,55.53 arc(32.48,56.9) 31.11,57.47
  Bottom w0.2: D6.2 37.6,53.79 33.6,53.79 arc(33.21,53.95) v1(33.05,54.34)
Net-(D7-A): length 14.8
  Top w0.2: v1(31.8,27.74) 27.29,27.74 arc(26.61,27.87) MX7.2
  Bottom w0.2: v1(31.8,27.74) 32.14,27.74 35.46,31.06 35.46,31.87 36.42,32.84 D7.2
Net-(D8-A): length 27.1
  Bottom w0.25: MX8.2 29.14,9.21 arc(27.79,9.48) 26.65,10.24 arc(25.76,11.57) 25.45,13.13 25.45,13.54 arc(25.74,15.02) 26.58,16.27 28.67,18.35 arc(29.79,19.1) 31.11,19.37 ; 31.18,19.37 arc(36.25,18.36) D8.2
Net-(D9-A): length 4.1
  Bottom w0.2: MX9.2 50.16,73.94 arc(50.31,73.21) D9.2
Net-(D10-A): length 4.1
  Bottom w0.2: MX10.2 50.16,54.89 arc(50.31,54.16) D10.2
Net-(D11-A): length 4.1
  Bottom w0.2: D11.2 50.72,37.07 arc(50.58,37.8) MX11.2
Net-(D12-A): length 11.2
  Bottom w0.2: D12.2 57.87,18.02 arc(57.72,18.75) MX12.2
  Bottom w0.25: MX12#2.2 MX12.2
Net-(D13-A): length 4.1
  Bottom w0.2: MX13.2 69.22,73.94 arc(69.36,73.21) D13.2
Net-(D14-A): length 4.1
  Bottom w0.2: MX14.2 69.22,54.89 arc(69.36,54.16) D14.2
Net-(D15-A): length 4.1
  Bottom w0.2: MX15.2 69.22,35.84 arc(69.36,35.11) D15.2
Net-(D16-A): length 4.1
  Bottom w0.2: MX16.2 88.27,73.94 arc(88.41,73.21) D16.2
Net-(D17-A): length 4.1
  Bottom w0.2: D17.2 88.83,56.12 arc(88.68,56.85) MX17.2
Net-(D18-A): length 4.1
  Bottom w0.2: MX18.2 88.27,35.84 arc(88.41,35.11) D18.2
Net-(D19-A): length 46
  Bottom w0.2: MX19#3.2 90.65,12.03 arc(90.79,11.3) D19.2
  Bottom w0.25: MX19.2 71.82,9.21 arc(73.33,9.83) 73.95,11.34 73.95,12.14 arc(74.68,13.91) 76.45,14.64 76.45,14.61 MX19#4.2 MX19#3.2 MX19#2.2
Net-(D20-A): length 4.1
  Bottom w0.2: MX20.2 116.84,73.94 arc(116.99,73.21) D20.2
Net-(D21-A): length 4.1
  Bottom w0.2: MX21.2 116.84,54.89 arc(116.99,54.16) D21.2
Net-(D22-A): length 4.1
  Bottom w0.2: MX22.2 116.84,35.84 arc(116.99,35.11) D22.2
Net-(D23-A): length 19.7
  Bottom w0.2: MX23#3.2 125.61,14.61 arc(128.39,13.45) D23.2
  Bottom w0.25: MX23#3.2 MX23#2.2 MX23.2
Net-(D24-A): length 4.1
  Bottom w0.2: MX24.2 135.89,73.94 arc(136.04,73.21) D24.2
Net-(D25-A): length 3.4
  Bottom w0.2: D25.2 136.45,56.91
Net-(D26-A): length 4.1
  Bottom w0.2: MX26.2 135.89,35.84 arc(136.04,35.11) D26.2
Net-(D27-A): length 4.1
  Bottom w0.2: MX27.2 154.94,73.94 arc(155.09,73.21) D27.2
Net-(D28-A): length 4.1
  Bottom w0.2: MX28.2 154.94,54.89 arc(155.09,54.16) D28.2
Net-(D29-A): length 4.1
  Bottom w0.2: MX29.2 154.94,35.84 arc(155.09,35.11) D29.2
Net-(D30-A): length 4.1
  Bottom w0.2: MX30.2 154.94,16.79 arc(155.09,16.06) D30.2
Net-(D31-A): length 4.1
  Bottom w0.2: MX31.2 173.99,73.94 arc(174.14,73.21) D31.2
Net-(D32-A): length 4.1
  Bottom w0.2: MX32.2 173.99,54.89 arc(174.14,54.16) D32.2
Net-(D33-A): length 4.1
  Bottom w0.2: D33.2 174.55,37.07 arc(174.4,37.8) MX33.2
Net-(D34-A): length 4.1
  Bottom w0.2: MX34.2 173.99,16.79 arc(174.14,16.06) D34.2
Net-(D35-A): length 3.5
  Bottom w0.2: 193.52,76.04 D35.2
Net-(D36-A): length 4.1
  Bottom w0.2: MX36.2 193.04,54.89 arc(193.19,54.16) D36.2
Net-(D37-A): length 4.1
  Bottom w0.2: D37.2 193.6,37.07 arc(193.45,37.8) MX37.2
Net-(D38-A): length 4.1
  Bottom w0.2: MX38.2 193.04,16.79 arc(193.19,16.06) D38.2
Net-(R_Flash1-Pad1): length 3.4
  Bottom w0.2: 38.29,67.49 arc(36.78,66.86) R_Flash1.1
Net-(U1-USB_DM): length 9.1
  Bottom w0.2: U1.46 24.6,50.04 arc(24.51,50.25) 24.3,50.34 23.81,50.34 22.27,51.88 22.27,53.45 R_DATA2.2
Net-(U1-USB_DP): length 8.9
  Bottom w0.2: U1.47 25,52.62 23.55,54.07 R_DATA1.2

## Copper pours and planes (outline as drawn; the poured copper is in the pictures)
+1V1 on Bottom: 25.05,45.79 25.7,45.79 25.9,45.49 28.35,45.49 28.35,40.74 25.8,40.74 25.8,40.54 25,40.54 25,41.34 27.8,41.34 27.8,44.94 24.85,44.99 24,44.94 24,45.94 25.05,45.94
+3V3 on Bottom: 21.75,50.49 23.9,46.69 24.7,46.14 29,46.14 29,40.14 23,40.14 23,45.84 19.3,45.94 19.3,50.59
GND on Top, Bottom: 208.95,-1.56 -2.55,-1.01 -2.55,82.64 207.05,82.94

## Text on the board
B.Silkscreen: RESET | 3V3 | GND | SWDIO | SWCLK | 3u / 4u | 2u | 1.75u | 3u | 4u
F.Silkscreen: ortho bad | but i guess it's kinda cute
